# KiCad board SweetBusinessRGBCore.kicad_pcb (continued)
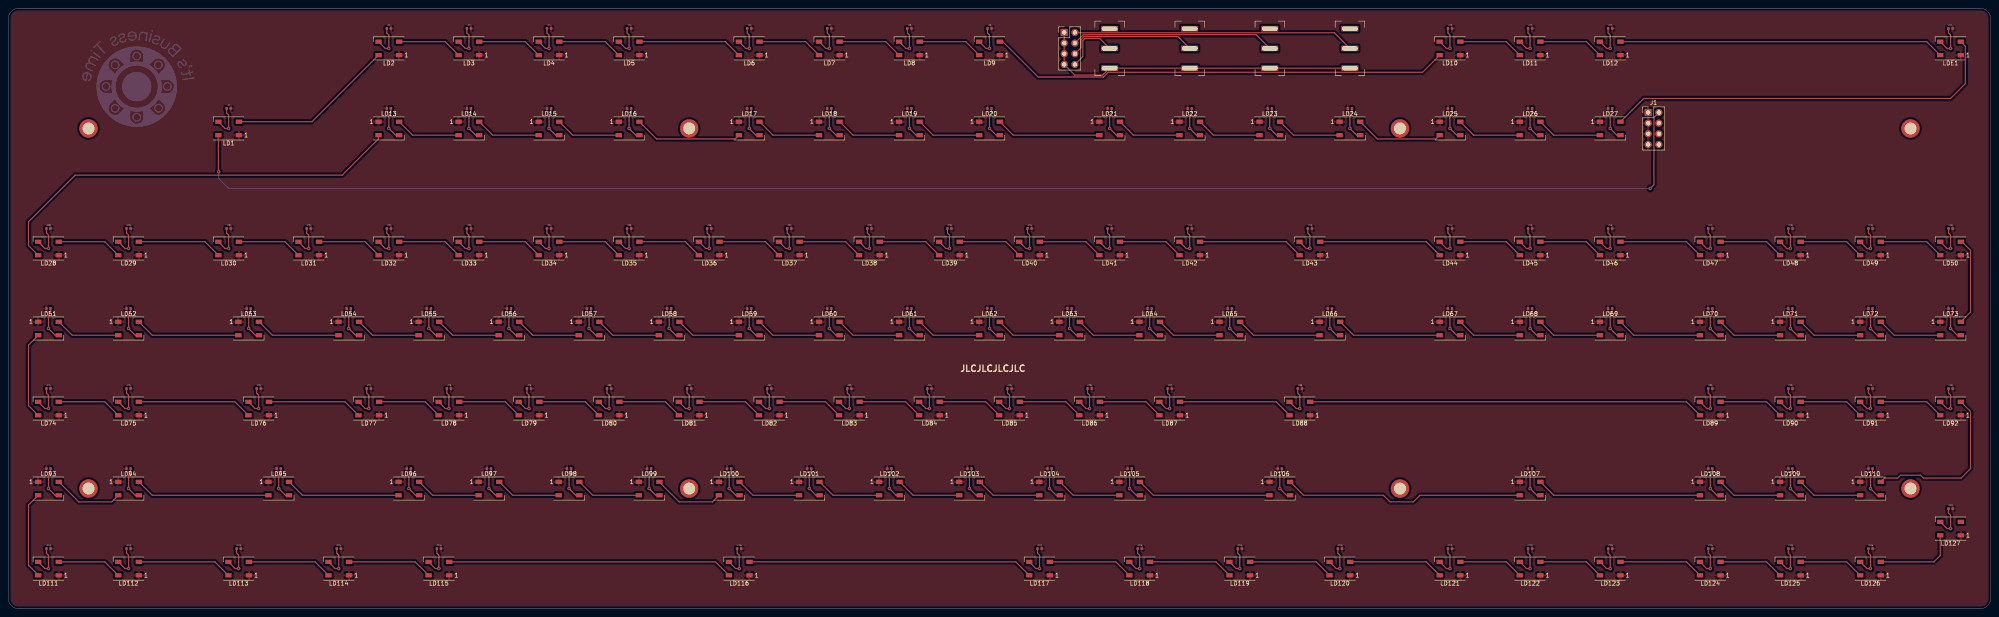
[diagram p0: board, top side]
## Nets
+3V3: J1.1 J1.3 J1.5 J1.7 LC1.2 LC2.2 LC3.2 LC4.2 LC5.2 LC6.2 LC7.2 LC8.2 LC9.2 LC10.2 LC11.2 LC12.2 LC13.2 LC14.2 LC15.2 LC16.2 LC17.2 LC18.2 LC19.2 LC20.2 LC21.2 LC22.2 LC23.2 LC24.2 LC25.2 LC26.2 LC27.2 LC28.2 LC29.2 LC30.2 LC31.2 LC32.2 LC33.2 LC34.2 LC35.2 LC36.2 LC37.2 LC38.2 LC39.2 LC40.2 LC41.2 LC42.2 LC43.2 LC44.2 LC45.2 LC46.2 LC47.2 LC48.2 LC49.2 LC50.2 LC51.2 LC52.2 LC53.2 LC54.2 LC55.2 LC56.2 LC57.2 LC58.2 LC59.2 LC60.2 LC61.2 LC62.2 LC63.2 LC64.2 LC65.2 LC66.2 LC67.2 LC68.2 LC69.2 LC70.2 LC71.2 LC72.2 LC73.2 LC74.2 LC75.2 LC76.2 LC77.2 LC78.2 LC79.2 LC80.2 LC81.2 LC82.2 LC83.2 LC84.2 LC85.2 LC86.2 LC87.2 LC88.2 LC89.2 LC90.2 LC91.2 LC92.2 LC93.2 LC94.2 LC95.2 LC96.2 LC97.2 LC98.2 LC99.2 LC100.2 LC101.2 LC102.2 LC103.2 LC104.2 LC105.2 LC106.2 LC107.2 LC108.2 LC109.2 LC110.2 LC111.2 LC112.2 LC113.2 LC114.2 LC115.2 LC116.2 LC117.2 LC118.2 LC119.2 LC120.2 LC121.2 LC122.2 LC123.2 LC124.2 LC125.2 LC126.2 LC127.2 LCE1.2 LD1.1 LD2.1 LD3.1 LD4.1 LD5.1 LD6.1 LD7.1 LD8.1 LD9.1 LD10.1 LD11.1 LD12.1 LD13.1 LD14.1 LD15.1 LD16.1 LD17.1 LD18.1 LD19.1 LD20.1 LD21.1 LD22.1 LD23.1 LD24.1 LD25.1 LD26.1 LD27.1 LD28.1 LD29.1 LD30.1 LD31.1 LD32.1 LD33.1 LD34.1 LD35.1 LD36.1 LD37.1 LD38.1 LD39.1 LD40.1 LD41.1 LD42.1 LD43.1 LD44.1 LD45.1 LD46.1 LD47.1 LD48.1 LD49.1 LD50.1 LD51.1 LD52.1 LD53.1 LD54.1 LD55.1 LD56.1 LD57.1 LD58.1 LD59.1 LD60.1 LD61.1 LD62.1 LD63.1 LD64.1 LD65.1 LD66.1 LD67.1 LD68.1 LD69.1 LD70.1 LD71.1 LD72.1 LD73.1 LD74.1 LD75.1 LD76.1 LD77.1 LD78.1 LD79.1 LD80.1 LD81.1 LD82.1 LD83.1 LD84.1 LD85.1 LD86.1 LD87.1 LD88.1 LD89.1 LD90.1 LD91.1 LD92.1 LD93.1 LD94.1 LD95.1 LD96.1 LD97.1 LD98.1 LD99.1 LD100.1 LD101.1 LD102.1 LD103.1 LD104.1 LD105.1 LD106.1 LD107.1 LD108.1 LD109.1 LD110.1 LD111.1 LD112.1 LD113.1 LD114.1 LD115.1 LD116.1 LD117.1 LD118.1 LD119.1 LD120.1 LD121.1 LD122.1 LD123.1 LD124.1 LD125.1 LD126.1 LD127.1 LDE1.1
GND: H1.1 H2.1 H3.1 H4.1 H5.1 H6.1 H7.1 H8.1 J1.4 J1.6 J1.8 LC1.1 LC2.1 LC3.1 LC4.1 LC5.1 LC6.1 LC7.1 LC8.1 LC9.1 LC10.1 LC11.1 LC12.1 LC13.1 LC14.1 LC15.1 LC16.1 LC17.1 LC18.1 LC19.1 LC20.1 LC21.1 LC22.1 LC23.1 LC24.1 LC25.1 LC26.1 LC27.1 LC28.1 LC29.1 LC30.1 LC31.1 LC32.1 LC33.1 LC34.1 LC35.1 LC36.1 LC37.1 LC38.1 LC39.1 LC40.1 LC41.1 LC42.1 LC43.1 LC44.1 LC45.1 LC46.1 LC47.1 LC48.1 LC49.1 LC50.1 LC51.1 LC52.1 LC53.1 LC54.1 LC55.1 LC56.1 LC57.1 LC58.1 LC59.1 LC60.1 LC61.1 LC62.1 LC63.1 LC64.1 LC65.1 LC66.1 LC67.1 LC68.1 LC69.1 LC70.1 LC71.1 LC72.1 LC73.1 LC74.1 LC75.1 LC76.1 LC77.1 LC78.1 LC79.1 LC80.1 LC81.1 LC82.1 LC83.1 LC84.1 LC85.1 LC86.1 LC87.1 LC88.1 LC89.1 LC90.1 LC91.1 LC92.1 LC93.1 LC94.1 LC95.1 LC96.1 LC97.1 LC98.1 LC99.1 LC100.1 LC101.1 LC102.1 LC103.1 LC104.1 LC105.1 LC106.1 LC107.1 LC108.1 LC109.1 LC110.1 LC111.1 LC112.1 LC113.1 LC114.1 LC115.1 LC116.1 LC117.1 LC118.1 LC119.1 LC120.1 LC121.1 LC122.1 LC123.1 LC124.1 LC125.1 LC126.1 LC127.1 LCE1.1 LD1.3 LD2.3 LD3.3 LD4.3 LD5.3 LD6.3 LD7.3 LD8.3 LD9.3 LD10.3 LD11.3 LD12.3 LD13.3 LD14.3 LD15.3 LD16.3 LD17.3 LD18.3 LD19.3 LD20.3 LD21.3 LD22.3 LD23.3 LD24.3 LD25.3 LD26.3 LD27.3 LD28.3 LD29.3 LD30.3 LD31.3 LD32.3 LD33.3 LD34.3 LD35.3 LD36.3 LD37.3 LD38.3 LD39.3 LD40.3 LD41.3 LD42.3 LD43.3 LD44.3 LD45.3 LD46.3 LD47.3 LD48.3 LD49.3 LD50.3 LD51.3 LD52.3 LD53.3 LD54.3 LD55.3 LD56.3 LD57.3 LD58.3 LD59.3 LD60.3 LD61.3 LD62.3 LD63.3 LD64.3 LD65.3 LD66.3 LD67.3 LD68.3 LD69.3 LD70.3 LD71.3 LD72.3 LD73.3 LD74.3 LD75.3 LD76.3 LD77.3 LD78.3 LD79.3 LD80.3 LD81.3 LD82.3 LD83.3 LD84.3 LD85.3 LD86.3 LD87.3 LD88.3 LD89.3 LD90.3 LD91.3 LD92.3 LD93.3 LD94.3 LD95.3 LD96.3 LD97.3 LD98.3 LD99.3 LD100.3 LD101.3 LD102.3 LD103.3 LD104.3 LD105.3 LD106.3 LD107.3 LD108.3 LD109.3 LD110.3 LD111.3 LD112.3 LD113.3 LD114.3 LD115.3 LD116.3 LD117.3 LD118.3 LD119.3 LD120.3 LD121.3 LD122.3 LD123.3 LD124.3 LD125.3 LD126.3 LD127.3 LDE1.3
col12: J2.8 T1.2
col13: J2.6 T2.2
col14: J2.4 T3.2
col15: J2.2 T4.2
LED: J1.2 LD1.4
row0: J2.1 J2.3 J2.5 J2.7 T1.1 T2.1 T3.1 T4.1
Net-(LD1-Pad2): LD1.2 LD2.4
Net-(LD2-Pad2): LD2.2 LD3.4
Net-(LD3-Pad2): LD3.2 LD4.4
Net-(LD4-Pad2): LD4.2 LD5.4
Net-(LD5-Pad2): LD5.2 LD6.4
Net-(LD6-Pad2): LD6.2 LD7.4
Net-(LD7-Pad2): LD7.2 LD8.4
Net-(LD8-Pad2): LD8.2 LD9.4
Net-(LD10-Pad2): LD10.2 LD11.4
Net-(LD10-Pad4): LD9.2 LD10.4
Net-(LD11-Pad2): LD11.2 LD12.4
Net-(LD12-Pad2): LD12.2 LDE1.4
Net-(LD13-Pad2): LD13.2 LD28.4
Net-(LD13-Pad4): LD13.4 LD14.2
Net-(LD14-Pad4): LD14.4 LD15.2
Net-(LD15-Pad4): LD15.4 LD16.2
Net-(LD16-Pad4): LD16.4 LD17.2
Net-(LD17-Pad4): LD17.4 LD18.2
Net-(LD18-Pad4): LD18.4 LD19.2
Net-(LD19-Pad4): LD19.4 LD20.2
Net-(LD20-Pad4): LD20.4 LD21.2
Net-(LD21-Pad4): LD21.4 LD22.2
Net-(LD22-Pad4): LD22.4 LD23.2
Net-(LD23-Pad4): LD23.4 LD24.2
Net-(LD24-Pad4): LD24.4 LD25.2
Net-(LD25-Pad4): LD25.4 LD26.2
Net-(LD26-Pad4): LD26.4 LD27.2
Net-(LD27-Pad4): LD27.4 LDE1.2
Net-(LD28-Pad2): LD28.2 LD29.4
Net-(LD29-Pad2): LD29.2 LD30.4
Net-(LD30-Pad2): LD30.2 LD31.4
Net-(LD31-Pad2): LD31.2 LD32.4
Net-(LD32-Pad2): LD32.2 LD33.4
Net-(LD33-Pad2): LD33.2 LD34.4
Net-(LD34-Pad2): LD34.2 LD35.4
Net-(LD35-Pad2): LD35.2 LD36.4
Net-(LD36-Pad2): LD36.2 LD37.4
Net-(LD37-Pad2): LD37.2 LD38.4
Net-(LD38-Pad2): LD38.2 LD39.4
Net-(LD39-Pad2): LD39.2 LD40.4
Net-(LD40-Pad2): LD40.2 LD41.4
Net-(LD41-Pad2): LD41.2 LD42.4
Net-(LD42-Pad2): LD42.2 LD43.4
Net-(LD43-Pad2): LD43.2 LD44.4
Net-(LD44-Pad2): LD44.2 LD45.4
Net-(LD45-Pad2): LD45.2 LD46.4
Net-(LD46-Pad2): LD46.2 LD47.4
Net-(LD47-Pad2): LD47.2 LD48.4
Net-(LD48-Pad2): LD48.2 LD49.4
Net-(LD49-Pad2): LD49.2 LD50.4
Net-(LD50-Pad2): LD50.2 LD73.4
Net-(LD51-Pad2): LD51.2 LD74.4
Net-(LD51-Pad4): LD51.4 LD52.2
Net-(LD52-Pad4): LD52.4 LD53.2
Net-(LD53-Pad4): LD53.4 LD54.2
Net-(LD54-Pad4): LD54.4 LD55.2
Net-(LD55-Pad4): LD55.4 LD56.2
Net-(LD56-Pad4): LD56.4 LD57.2
Net-(LD57-Pad4): LD57.4 LD58.2
Net-(LD58-Pad4): LD58.4 LD59.2
Net-(LD59-Pad4): LD59.4 LD60.2
Net-(LD60-Pad4): LD60.4 LD61.2
Net-(LD61-Pad4): LD61.4 LD62.2
Net-(LD62-Pad4): LD62.4 LD63.2
Net-(LD63-Pad4): LD63.4 LD64.2
Net-(LD64-Pad4): LD64.4 LD65.2
Net-(LD65-Pad4): LD65.4 LD66.2
Net-(LD66-Pad4): LD66.4 LD67.2
Net-(LD67-Pad4): LD67.4 LD68.2
Net-(LD68-Pad4): LD68.4 LD69.2
Net-(LD69-Pad4): LD69.4 LD70.2
Net-(LD70-Pad4): LD70.4 LD71.2
Net-(LD71-Pad4): LD71.4 LD72.2
Net-(LD72-Pad4): LD72.4 LD73.2
Net-(LD74-Pad2): LD74.2 LD75.4
Net-(LD75-Pad2): LD75.2 LD76.4
Net-(LD76-Pad2): LD76.2 LD77.4
Net-(LD77-Pad2): LD77.2 LD78.4
Net-(LD78-Pad2): LD78.2 LD79.4
Net-(LD79-Pad2): LD79.2 LD80.4
Net-(LD80-Pad2): LD80.2 LD81.4
Net-(LD81-Pad2): LD81.2 LD82.4
Net-(LD82-Pad2): LD82.2 LD83.4
Net-(LD83-Pad2): LD83.2 LD84.4
Net-(LD84-Pad2): LD84.2 LD85.4
Net-(LD85-Pad2): LD85.2 LD86.4
Net-(LD86-Pad2): LD86.2 LD87.4
Net-(LD87-Pad2): LD87.2 LD88.4
Net-(LD88-Pad2): LD88.2 LD89.4
Net-(LD89-Pad2): LD89.2 LD90.4
Net-(LD90-Pad2): LD90.2 LD91.4
Net-(LD91-Pad2): LD91.2 LD92.4
Net-(LD93-Pad4): LD93.4 LD94.2
Net-(LD94-Pad4): LD94.4 LD95.2
Net-(LD95-Pad4): LD95.4 LD96.2
Net-(LD96-Pad4): LD96.4 LD97.2
Net-(LD97-Pad4): LD97.4 LD98.2
Net-(LD98-Pad4): LD98.4 LD99.2
Net-(LD100-Pad2): LD99.4 LD100.2
Net-(LD100-Pad4): LD100.4 LD101.2
Net-(LD101-Pad4): LD101.4 LD102.2
Net-(LD102-Pad4): LD102.4 LD103.2
Net-(LD103-Pad4): LD103.4 LD104.2
Net-(LD104-Pad4): LD104.4 LD105.2
Net-(LD105-Pad4): LD105.4 LD106.2
Net-(LD106-Pad4): LD106.4 LD107.2
Net-(LD107-Pad4): LD107.4 LD108.2
Net-(LD108-Pad4): LD108.4 LD109.2
Net-(LD109-Pad4): LD109.4 LD110.2
Net-(LD110-Pad4): LD92.2 LD110.4
Net-(LD111-Pad2): LD111.2 LD112.4
Net-(LD111-Pad4): LD93.2 LD111.4
Net-(LD112-Pad2): LD112.2 LD113.4
Net-(LD113-Pad2): LD113.2 LD114.4
Net-(LD114-Pad2): LD114.2 LD115.4
Net-(LD115-Pad2): LD115.2 LD116.4
Net-(LD116-Pad2): LD116.2 LD117.4
Net-(LD117-Pad2): LD117.2 LD118.4
Net-(LD118-Pad2): LD118.2 LD119.4
Net-(LD119-Pad2): LD119.2 LD120.4
Net-(LD120-Pad2): LD120.2 LD121.4
Net-(LD121-Pad2): LD121.2 LD122.4
Net-(LD122-Pad2): LD122.2 LD123.4
Net-(LD123-Pad2): LD123.2 LD124.4
Net-(LD124-Pad2): LD124.2 LD125.4
Net-(LD125-Pad2): LD125.2 LD126.4
Net-(LD126-Pad2): LD126.2 LD127.4

Pads without a net: LD127 2; T1 3; T2 3; T3 3; T4 3

## Via types
v1: diameter 0.8, hole 0.4, Top to Bottom, 130 vias

## Routing (per net, layer and track width the routed paths; a pad name or vN(x,y) marks a point on that pad's centre or on a via; arc(x,y) is an arc through that point)
GND: length 1033.7
  Top w0.25: LC8.1 213.83,137.01 214.31,136.53 v1(214.31,133.35) 213.46,133.35 LD8.3 ; LD98.3 134.95,26.97 v1(133.35,28.57) 133.35,31.75 133.84,32.24 LC98.1 ; LD89.3 403.96,47.62 v1(404.81,47.62) 404.81,50.8 404.33,51.28 LC89.1 ; LC50.1 461.48,89.38 461.96,88.9 v1(461.96,85.72) 461.11,85.72 LD50.3 ; LC13.1 90.97,117.96 90.49,117.47 v1(90.49,114.3) 92.09,112.7 92.94,112.7 ; LD41.3 261.09,85.72 v1(261.94,85.72) 261.94,88.9 261.45,89.38 LC41.1 ; LC95.1 64.78,32.24 64.29,31.75 v1(64.29,28.57) 65.89,26.97 LD95.3 ; LD122.3 361.1,9.52 v1(361.95,9.52) 361.95,12.7 361.46,13.19 LC122.1 ; LD84.3 218.23,47.62 v1(219.07,47.62) 219.07,50.8 218.59,51.28 LC84.1 ; LD61.3 215.91,65.07 v1(214.31,66.68) 214.31,69.85 214.8,70.34 LC61.1 ; LD97.3 115.9,26.97 v1(114.3,28.57) 114.3,31.75 114.78,32.24 LC97.1 ; LC40.1 242.4,89.38 242.89,88.9 v1(242.89,85.72) 242.04,85.72 LD40.3 ; LC99.1 152.88,32.24 152.4,31.75 v1(152.4,28.57) 154,26.97 LD99.3 ; LC81.1 161.44,51.28 161.93,50.8 v1(161.93,47.62) 161.07,47.62 LD81.3 ; LD32.3 89.64,85.72 v1(90.49,85.72) 90.49,88.9 90,89.38 LC32.1 ; 345.35,112.7 344.5,112.7 v1(342.9,114.3) 342.9,117.47 343.38,117.96 LC25.1 ; LD9.3 232.51,133.35 v1(233.36,133.35) 233.36,136.53 232.88,137.01 LC9.1 ; LD44.3 342.05,85.72 v1(342.9,85.72) 342.9,88.9 342.42,89.38 LC44.1 ; LC120.1 316.22,13.19 316.71,12.7 v1(316.71,9.52) 315.86,9.52 LD120.3 ; LD85.3 237.27,47.62 v1(238.12,47.62) 238.12,50.8 237.64,51.28 LC85.1 ; LC76.1 59.05,51.28 59.53,50.8 v1(59.53,47.62) 58.68,47.62 LD76.3 ; LD80.3 142.03,47.62 v1(142.88,47.62) 142.88,50.8 142.39,51.28 LC80.1 ; LD123.3 380.15,9.52 v1(381,9.52) 381,12.7 380.51,13.19 LC123.1 ; LD70.3 406.41,65.07 v1(404.81,66.68) 404.81,69.85 405.3,70.34 LC70.1 ; LD47.3 403.96,85.72 v1(404.81,85.72) 404.81,88.9 404.33,89.38 LC47.1 ; LC119.1 292.41,13.19 292.89,12.7 v1(292.89,9.52) 292.04,9.52 LD119.3 ; LC118.1 268.6,13.19 269.08,12.7 v1(269.08,9.52) 268.23,9.52 LD118.3 ; LD42.3 280.14,85.72 v1(280.99,85.72) 280.99,88.9 280.5,89.38 LC42.1 ; LC126.1 442.43,13.19 442.91,12.7 v1(442.91,9.52) 442.06,9.52 LD126.3 ; LD10.3 342.05,133.35 v1(342.9,133.35) 342.9,136.53 342.42,137.01 LC10.1 ; LC1.1 51.9,117.96 52.39,117.47 v1(52.39,114.3) 51.54,114.3 LD1.3 ; LD86.3 256.32,47.62 v1(257.18,47.62) 257.18,50.8 256.69,51.28 LC86.1 ; 321.54,112.7 320.69,112.7 v1(319.09,114.3) 319.09,117.47 319.57,117.96 LC24.1 ; LC5.1 147.15,137.01 147.64,136.53 v1(147.64,133.35) 146.79,133.35 LD5.3 ; LD92.3 461.11,47.62 v1(461.96,47.62) 461.96,50.8 461.48,51.28 LC92.1 ; LD49.3 442.06,85.72 v1(442.91,85.72) 442.91,88.9 442.43,89.38 LC49.1 ; LC113.1 54.28,13.19 54.77,12.7 v1(54.77,9.52) 53.92,9.52 LD113.3 ; LC116.1 173.35,13.19 173.83,12.7 v1(173.83,9.52) 172.98,9.52 LD116.3 ; LC19.1 214.8,117.96 214.31,117.47 v1(214.31,114.3) 215.91,112.7 216.76,112.7 ; LC14.1 110.02,117.96 109.54,117.47 v1(109.54,114.3) 111.14,112.7 111.99,112.7 ; LC59.1 176.7,70.34 176.21,69.85 v1(176.21,66.68) 177.81,65.07 LD59.3 ; LD102.3 211.15,26.97 v1(209.55,28.57) 209.55,31.75 210.04,32.24 LC102.1 ; LD52.3 30.17,65.07 v1(28.58,66.68) 28.58,69.85 29.06,70.34 LC52.1 ; LD68.3 363.55,65.07 v1(361.95,66.68) 361.95,69.85 362.44,70.34 LC68.1 ; LC101.1 190.99,32.24 190.5,31.75 v1(190.5,28.57) 192.1,26.97 LD101.3 ; LC26.1 362.44,117.96 361.95,117.47 v1(361.95,114.3) 363.55,112.7 364.4,112.7 ; LC106.1 302.9,32.24 302.42,31.75 v1(302.42,28.57) 304.02,26.97 LD106.3 ; LD63.3 254.01,65.07 v1(252.41,66.68) 252.41,69.85 252.9,70.34 LC63.1 ; LC83.1 199.54,51.28 200.03,50.8 v1(200.03,47.62) 199.18,47.62 LD83.3 ; 131.04,112.7 130.19,112.7 v1(128.59,114.3) 128.59,117.47 129.07,117.96 LC15.1 ; LC51.1 10.01,70.34 9.52,69.85 v1(9.52,66.68) 11.12,65.07 LD51.3 ; LC45.1 361.46,89.38 361.95,88.9 v1(361.95,85.72) 361.1,85.72 LD45.3 ; LC72.1 443.4,70.34 442.91,69.85 v1(442.91,66.68) 444.51,65.07 LD72.3 ; LC54.1 81.45,70.34 80.96,69.85 v1(80.96,66.68) 82.56,65.07 LD54.3 ; 235.81,112.7 234.96,112.7 v1(233.36,114.3) 233.36,117.47 233.85,117.96 LC20.1 ; LC12.1 380.51,137.01 381,136.53 v1(381,133.35) 380.15,133.35 LD12.3 ; LD71.3 425.46,65.07 v1(423.86,66.68) 423.86,69.85 424.35,70.34 LC71.1 ; LC108.1 405.3,32.24 404.81,31.75 v1(404.81,28.57) 406.41,26.97 LD108.3 ; LD39.3 222.99,85.72 v1(223.84,85.72) 223.84,88.9 223.35,89.38 LC39.1 ; LC37.1 185.25,89.38 185.74,88.9 v1(185.74,85.72) 184.89,85.72 LD37.3 ; LC11.1 361.46,137.01 361.95,136.53 v1(361.95,133.35) 361.1,133.35 LD11.3 ; LC73.1 462.45,70.34 461.96,69.85 v1(461.96,66.68) 463.56,65.07 LD73.3 ; LC115.1 101.91,13.19 102.39,12.7 v1(102.39,9.52) 101.54,9.52 LD115.3 ; LC6.1 175.73,137.01 176.21,136.53 v1(176.21,133.35) 175.36,133.35 LD6.3 ; LD79.3 122.97,47.62 v1(123.82,47.62) 123.82,50.8 123.34,51.28 LC79.1 ; LC7.1 194.78,137.01 195.26,136.53 v1(195.26,133.35) 194.41,133.35 LD7.3 ; LC35.1 147.15,89.38 147.64,88.9 v1(147.64,85.72) 146.79,85.72 LD35.3 ; LD65.3 292.11,65.07 v1(290.51,66.68) 290.51,69.85 291,70.34 LC65.1 ; LD77.3 84.88,47.62 v1(85.72,47.62) 85.72,50.8 85.24,51.28 LC77.1 ; LD100.3 173.05,26.97 v1(171.45,28.57) 171.45,31.75 171.94,32.24 LC100.1 ; LC18.1 195.75,117.96 195.26,117.47 v1(195.26,114.3) 196.86,112.7 197.71,112.7 ; 264.39,112.7 263.54,112.7 v1(261.94,114.3) 261.94,117.47 262.42,117.96 LC21.1 ; LD29.3 27.72,85.72 v1(28.58,85.72) 28.58,88.9 28.09,89.38 LC29.1 ; LD78.3 103.93,47.62 v1(104.78,47.62) 104.78,50.8 104.29,51.28 LC78.1 ; LD121.3 342.05,9.52 v1(342.9,9.52) 342.9,12.7 342.42,13.19 LC121.1 ; LD43.3 308.71,85.72 v1(309.56,85.72) 309.56,88.9 309.08,89.38 LC43.1 ; LD93.3 11.12,26.97 v1(9.52,28.57) 9.52,31.75 10.01,32.24 LC93.1 ; LC64.1 271.95,70.34 271.46,69.85 v1(271.46,66.68) 273.06,65.07 LD64.3 ; LC91.1 442.43,51.28 442.91,50.8 v1(442.91,47.62) 442.06,47.62 LD91.3 ; LC38.1 204.3,89.38 204.79,88.9 v1(204.79,85.72) 203.94,85.72 LD38.3 ; LC36.1 166.2,89.38 166.69,88.9 v1(166.69,85.72) 165.84,85.72 LD36.3 ; LD30.3 51.54,85.72 v1(52.39,85.72) 52.39,88.9 51.9,89.38 LC30.1 ; LD96.3 96.85,26.97 v1(95.25,28.57) 95.25,31.75 95.74,32.24 LC96.1 ; LD87.3 275.38,47.62 v1(276.23,47.62) 276.23,50.8 275.74,51.28 LC87.1 ; LD112.3 27.72,9.52 v1(28.58,9.52) 28.58,12.7 28.09,13.19 LC112.1 ; LD74.3 8.67,47.62 v1(9.52,47.62) 9.52,50.8 9.04,51.28 LC74.1 ; LC48.1 423.38,89.38 423.86,88.9 v1(423.86,85.72) 423.01,85.72 LD48.3 ; LD127.3 461.11,19.05 v1(461.96,19.05) 461.96,22.22 461.48,22.71 LC127.1 ; LC28.1 9.04,89.38 9.52,88.9 v1(9.52,85.72) 8.67,85.72 LD28.3 ; LC58.1 157.65,70.34 157.16,69.85 v1(157.16,66.68) 158.76,65.07 LD58.3 ; LC125.1 423.38,13.19 423.86,12.7 v1(423.86,9.52) 423.01,9.52 LD125.3 ; 180.49,52.39 180.49,51.28 180.97,50.8 v1(180.97,47.62) 180.12,47.62 LD82.3 ; LC23.1 300.52,117.96 300.04,117.47 v1(300.04,114.3) 301.64,112.7 302.49,112.7 ; LC57.1 138.6,70.34 138.11,69.85 v1(138.11,66.68) 139.71,65.07 LD57.3 ; LC27.1 381.49,117.96 381,117.47 v1(381,114.3) 382.6,112.7 383.45,112.7 ; 345.35,65.07 344.5,65.07 v1(342.9,66.68) 342.9,69.85 343.38,70.34 LC67.1 ; LD117.3 244.42,9.52 v1(245.27,9.52) 245.27,12.7 244.78,13.19 LC117.1 ; LC22.1 281.47,117.96 280.99,117.47 v1(280.99,114.3) 282.59,112.7 283.44,112.7 ; LC75.1 28.09,51.28 28.58,50.8 v1(28.58,47.62) 27.72,47.62 LD75.3 ; LD55.3 101.61,65.07 v1(100.01,66.68) 100.01,69.85 100.5,70.34 LC55.1 ; LC56.1 119.55,70.34 119.06,69.85 v1(119.06,66.68) 120.66,65.07 LD56.3 ; LD110.3 444.51,26.97 v1(442.91,28.57) 442.91,31.75 443.4,32.24 LC110.1 ; LC104.1 248.13,32.24 247.65,31.75 v1(247.65,28.57) 249.25,26.97 LD104.3 ; LD62.3 234.96,65.07 v1(233.36,66.68) 233.36,69.85 233.85,70.34 LC62.1 ; LC46.1 380.51,89.38 381,88.9 v1(381,85.72) 380.15,85.72 LD46.3 ; LC3.1 109.05,137.01 109.54,136.53 v1(109.54,133.35) 108.69,133.35 LD3.3 ; LC107.1 362.44,32.24 361.95,31.75 v1(361.95,28.57) 363.55,26.97 LD107.3 ; LD69.3 382.6,65.07 v1(381,66.68) 381,69.85 381.49,70.34 LC69.1 ; LC90.1 423.38,51.28 423.86,50.8 v1(423.86,47.62) 423.01,47.62 LD90.3 ; LC94.1 29.06,32.24 28.58,31.75 v1(28.58,28.57) 30.17,26.97 LD94.3 ; 178.66,112.7 177.81,112.7 v1(176.21,114.3) 176.21,117.47 176.7,117.96 LC17.1 ; LD2.3 89.64,133.35 v1(90.49,133.35) 90.49,136.53 90,137.01 LC2.1 ; LD114.3 77.73,9.52 v1(78.58,9.52) 78.58,12.7 78.1,13.19 LC114.1 ; LC109.1 424.35,32.24 423.86,31.75 v1(423.86,28.57) 425.46,26.97 LD109.3 ; LC31.1 70.95,89.38 71.44,88.9 v1(71.44,85.72) 70.59,85.72 LD31.3 ; LC66.1 314.81,70.34 314.32,69.85 v1(314.32,66.68) 315.93,65.07 LD66.3 ; LD105.3 268.3,26.97 v1(266.7,28.57) 266.7,31.75 267.19,32.24 LC105.1 ; 461.48,138.11 461.48,137.01 461.96,136.53 v1(461.96,133.35) 461.11,133.35 459.51,134.95 ; LC4.1 128.1,137.01 128.59,136.53 v1(128.59,133.35) 127.74,133.35 LD4.3 ; LC53.1 57.64,70.34 57.15,69.85 v1(57.15,66.68) 58.75,65.07 59.6,65.07 ; LC33.1 109.05,89.38 109.54,88.9 v1(109.54,85.72) 108.69,85.72 LD33.3 ; 150.09,112.7 149.24,112.7 v1(147.64,114.3) 147.64,117.47 148.12,117.96 LC16.1 ; LD103.3 230.2,26.97 v1(228.6,28.57) 228.6,31.75 229.08,32.24 LC103.1 ; LD111.3 8.67,9.52 v1(9.52,9.52) 9.52,12.7 9.04,13.19 LC111.1 ; LD34.3 127.74,85.72 v1(128.59,85.72) 128.59,88.9 128.1,89.38 LC34.1 ; LD124.3 403.96,9.52 v1(404.81,9.52) 404.81,12.7 404.33,13.19 LC124.1 ; LC88.1 306.7,51.28 307.18,50.8 v1(307.18,47.62) 306.33,47.62 LD88.3 ; LD60.3 196.86,65.07 v1(195.26,66.68) 195.26,69.85 195.75,70.34 LC60.1
col12: length 14
  Top w0.25: J2.8 255.56,131.42 255.56,135.22 256.07,135.73 259.56,135.73 T1.2
col13: length 31.3
  Top w0.25: T2.2 278.16,136.18 255.88,136.18 255.11,135.41 255.11,133.51 J2.6
col14: length 48.6
  Top w0.25: J2.4 255.69,136.63 296.76,136.63 T3.2
col15: length 67
  Top w0.25: J2.2 253.75,137.08 315.36,137.08 T4.2
LED: length 370.8
  Top w0.25: 49.94,112.7 49.94,104.05 v1(50.01,103.98) ; J1.2 391.41,116.93 391.41,100.9 v1(390.52,100.01)
  Bottom w0.25: v1(390.52,100.01) 52.39,100.01 50.01,102.39 v1(50.01,103.98)
row0: length 77.3
  Top w0.25: J2.1 J2.7 253.67,127 260.29,127 T1.1 T4.1
Net-(LD1-Pad2): length 39.8
  Top w0.25: LD1.2 72.19,115.9 LD2.4
Net-(LD2-Pad2): length 15.5
  Top w0.25: LD3.4 103.89,134.95 LD2.2
Net-(LD3-Pad2): length 15.5
  Top w0.25: LD3.2 122.94,134.95 LD4.4
Net-(LD4-Pad2): length 15.5
  Top w0.25: LD5.4 141.99,134.95 LD4.2
Net-(LD5-Pad2): length 25
  Top w0.25: LD5.2 170.56,134.95 LD6.4
Net-(LD6-Pad2): length 15.5
  Top w0.25: LD7.4 189.61,134.95 LD6.2
Net-(LD7-Pad2): length 15.5
  Top w0.25: LD8.4 208.66,134.95 LD7.2
Net-(LD8-Pad2): length 15.5
  Top w0.25: LD8.2 227.71,134.95 LD9.4
Net-(LD10-Pad2): length 15.5
  Top w0.25: LD11.4 356.3,134.95 345.35,134.95
Net-(LD10-Pad4): length 110.3
  Top w0.25: LD9.2 236.52,134.95 244.92,126.55 260.47,126.55 261.6,127.68 336.38,127.68 LD10.4
Net-(LD11-Pad2): length 15.5
  Top w0.25: LD11.2 375.35,134.95 LD12.4
Net-(LD12-Pad2): length 77.4
  Top w0.25: LD12.2 456.3,134.95 LDE1.4
Net-(LD13-Pad2): length 101.2
  Top w0.25: LD28.4 4.76,86.44 4.76,92.07 15.88,103.19 79.38,103.19 88.04,111.85 88.04,112.7
Net-(LD13-Pad4): length 15.5
  Top w0.25: 107.09,112.7 96.14,112.7 LD13.4
Net-(LD14-Pad4): length 15.5
  Top w0.25: LD14.4 115.19,112.7 126.14,112.7
Net-(LD15-Pad4): length 15.5
  Top w0.25: 145.19,112.7 134.24,112.7 LD15.4
Net-(LD16-Pad4): length 25.7
  Top w0.25: 173.76,112.7 172.86,111.8 154.19,111.8 LD16.4
Net-(LD17-Pad4): length 15.5
  Top w0.25: 192.81,112.7 181.86,112.7 LD17.4
Net-(LD18-Pad4): length 15.5
  Top w0.25: LD18.4 200.91,112.7 211.86,112.7
Net-(LD19-Pad4): length 15.5
  Top w0.25: 230.91,112.7 219.96,112.7 LD19.4
Net-(LD20-Pad4): length 25
  Top w0.25: 259.49,112.7 239.01,112.7 LD20.4
Net-(LD21-Pad4): length 15.5
  Top w0.25: LD21.4 267.59,112.7 278.54,112.7
Net-(LD22-Pad4): length 15.5
  Top w0.25: LD22.4 286.64,112.7 297.59,112.7
Net-(LD23-Pad4): length 15.5
  Top w0.25: LD23.4 305.69,112.7 316.64,112.7
Net-(LD24-Pad4): length 21
  Top w0.25: 340.45,112.7 339.55,111.8 325.64,111.8 LD24.4
Net-(LD25-Pad4): length 15.5
  Top w0.25: 345.35,115.9 348.55,112.7 359.5,112.7
Net-(LD26-Pad4): length 15.5
  Top w0.25: LD26.4 367.6,112.7 378.55,112.7
Net-(LD27-Pad4): length 96.2
  Top w0.25: LD27.4 388.99,121.44 461.96,121.44 465.47,124.96 465.47,133.88 LDE1.2
Net-(LD28-Pad2): length 15.5
  Top w0.25: LD29.4 22.92,87.32 LD28.2
Net-(LD29-Pad2): length 20.2
  Top w0.25: LD30.4 46.74,87.32 LD29.2
Net-(LD30-Pad2): length 15.5
  Top w0.25: LD31.4 65.79,87.32 LD30.2
Net-(LD31-Pad2): length 15.5
  Top w0.25: LD32.4 84.84,87.32 LD31.2
Net-(LD32-Pad2): length 15.5
  Top w0.25: LD33.4 103.89,87.32 LD32.2
Net-(LD33-Pad2): length 15.5
  Top w0.25: LD33.2 122.94,87.32 LD34.4
Net-(LD34-Pad2): length 15.5
  Top w0.25: LD34.2 141.99,87.32 LD35.4
Net-(LD35-Pad2): length 15.5
  Top w0.25: LD36.4 161.04,87.32 LD35.2
Net-(LD36-Pad2): length 15.5
  Top w0.25: LD36.2 180.09,87.32 LD37.4
Net-(LD37-Pad2): length 15.5
  Top w0.25: LD38.4 199.14,87.32 LD37.2
Net-(LD38-Pad2): length 15.5
  Top w0.25: LD39.4 218.19,87.32 LD38.2
Net-(LD39-Pad2): length 15.5
  Top w0.25: LD39.2 237.24,87.32 LD40.4
Net-(LD40-Pad2): length 15.5
  Top w0.25: LD40.2 256.29,87.32 LD41.4
Net-(LD41-Pad2): length 15.5
  Top w0.25: LD42.4 275.34,87.32 LD41.2
Net-(LD42-Pad2): length 25
  Top w0.25: LD43.4 303.91,87.32 LD42.2
Net-(LD43-Pad2): length 29.8
  Top w0.25: LD43.2 337.25,87.32 LD44.4
Net-(LD44-Pad2): length 15.5
  Top w0.25: LD45.4 356.3,87.32 345.35,87.32
Net-(LD45-Pad2): length 15.5
  Top w0.25: LD46.4 375.35,87.32 LD45.2
Net-(LD46-Pad2): length 20.2
  Top w0.25: LD47.4 399.16,87.32 LD46.2
Net-(LD47-Pad2): length 15.5
  Top w0.25: LD48.4 418.21,87.32 LD47.2
Net-(LD48-Pad2): length 15.5
  Top w0.25: LD49.4 437.26,87.32 LD48.2
Net-(LD49-Pad2): length 15.5
  Top w0.25: LD50.4 456.31,87.32 LD49.2
Net-(LD50-Pad2): length 21.1
  Top w0.25: LD73.4 466.73,70.59 466.73,85.26 464.66,87.32 LD50.2
Net-(LD51-Pad2): length 21
  Top w0.25: LD51.2 7.08,65.02 4.76,62.71 4.76,48.34 LD74.4
Net-(LD51-Pad4): length 15.5
  Top w0.25: LD52.2 15.17,65.07 LD51.4
Net-(LD52-Pad4): length 25
  Top w0.25: LD53.2 34.22,65.07 LD52.4
Net-(LD53-Pad4): length 20.2
  Top w0.25: LD54.2 62.8,65.07 59.6,68.28
Net-(LD54-Pad4): length 15.5
  Top w0.25: LD55.2 86.61,65.07 LD54.4
Net-(LD55-Pad4): length 15.5
  Top w0.25: LD55.4 105.66,65.07 LD56.2
Net-(LD56-Pad4): length 15.5
  Top w0.25: LD57.2 124.71,65.07 LD56.4
Net-(LD57-Pad4): length 15.5
  Top w0.25: LD58.2 143.76,65.07 LD57.4
Net-(LD58-Pad4): length 15.5
  Top w0.25: LD58.4 162.81,65.07 LD59.2
Net-(LD59-Pad4): length 15.5
  Top w0.25: LD60.2 181.86,65.07 LD59.4
Net-(LD60-Pad4): length 15.5
  Top w0.25: LD61.2 200.91,65.07 LD60.4
Net-(LD61-Pad4): length 15.5
  Top w0.25: LD62.2 219.96,65.07 LD61.4
Net-(LD62-Pad4): length 15.5
  Top w0.25: LD62.4 239.01,65.07 LD63.2
Net-(LD63-Pad4): length 15.5
  Top w0.25: LD63.4 258.06,65.07 LD64.2
Net-(LD64-Pad4): length 15.5
  Top w0.25: LD64.4 277.11,65.07 LD65.2
Net-(LD65-Pad4): length 20.2
  Top w0.25: LD65.4 296.16,65.07 LD66.2
Net-(LD66-Pad4): length 25
  Top w0.25: LD67.2 319.98,65.07 LD66.4
Net-(LD67-Pad4): length 15.5
  Top w0.25: 345.35,68.28 348.55,65.07 LD68.2
Net-(LD68-Pad4): length 15.5
  Top w0.25: LD68.4 367.6,65.07 LD69.2
Net-(LD69-Pad4): length 20.2
  Top w0.25: LD69.4 386.65,65.07 LD70.2
Net-(LD70-Pad4): length 15.5
  Top w0.25: LD70.4 410.46,65.07 LD71.2
Net-(LD71-Pad4): length 15.5
  Top w0.25: LD71.4 429.51,65.07 LD72.2
Net-(LD72-Pad4): length 15.5
  Top w0.25: LD73.2 448.56,65.07 LD72.4
Net-(LD74-Pad2): length 15.5
  Top w0.25: LD74.2 22.92,49.22 LD75.4
Net-(LD75-Pad2): length 27.4
  Top w0.25: LD75.2 53.88,49.22 LD76.4
Net-(LD76-Pad2): length 22.6
  Top w0.25: LD77.4 80.08,49.22 LD76.2
Net-(LD77-Pad2): length 15.5
  Top w0.25: LD78.4 99.12,49.22 LD77.2
Net-(LD78-Pad2): length 15.5
  Top w0.25: LD79.4 118.18,49.22 LD78.2
Net-(LD79-Pad2): length 15.5
  Top w0.25: LD79.2 137.22,49.22 LD80.4
Net-(LD80-Pad2): length 15.5
  Top w0.25: LD80.2 156.28,49.22 LD81.4
Net-(LD81-Pad2): length 15.5
  Top w0.25: LD81.2 175.32,49.22 LD82.4
Net-(LD82-Pad2): length 15.5
  Top w0.25: LD83.4 194.38,49.22 LD82.2
Net-(LD83-Pad2): length 15.5
  Top w0.25: LD84.4 213.43,49.22 LD83.2
Net-(LD84-Pad2): length 15.5
  Top w0.25: LD85.4 232.48,49.22 LD84.2
Net-(LD85-Pad2): length 15.5
  Top w0.25: LD86.4 251.52,49.22 LD85.2
Net-(LD86-Pad2): length 15.5
  Top w0.25: LD87.4 270.57,49.22 LD86.2
Net-(LD87-Pad2): length 27.4
  Top w0.25: LD88.4 301.53,49.22 LD87.2
Net-(LD88-Pad2): length 94.1
  Top w0.25: LD89.4 399.16,49.22 LD88.2
Net-(LD89-Pad2): length 15.5
  Top w0.25: LD90.4 418.21,49.22 LD89.2
Net-(LD90-Pad2): length 15.5
  Top w0.25: LD90.2 437.26,49.22 LD91.4
Net-(LD91-Pad2): length 15.5
  Top w0.25: LD91.2 456.31,49.22 LD92.4
Net-(LD93-Pad4): length 16.8
  Top w0.25: LD93.4 16.75,25.4 24.61,25.4 26.12,26.92 LD94.2
Net-(LD94-Pad4): length 32.1
  Top w0.25: LD95.2 34.22,26.97 LD94.4
Net-(LD95-Pad4): length 27.4
  Top w0.25: LD95.4 69.94,26.97 LD96.2
Net-(LD96-Pad4): length 15.5
  Top w0.25: LD96.4 100.9,26.97 LD97.2
Net-(LD97-Pad4): length 15.5
  Top w0.25: LD97.4 119.95,26.97 LD98.2
Net-(LD98-Pad4): length 15.5
  Top w0.25: LD98.4 139,26.97 LD99.2
Net-(LD100-Pad2): length 16.9
  Top w0.25: LD99.4 154.85,30.09 159.54,25.4 167.48,25.4 169,26.92 LD100.2
Net-(LD100-Pad4): length 15.5
  Top w0.25: LD100.4 177.1,26.97 LD101.2
Net-(LD101-Pad4): length 15.5
  Top w0.25: 207.1,26.97 196.15,26.97 LD101.4
Net-(LD102-Pad4): length 15.5
  Top w0.25: LD102.4 215.2,26.97 LD103.2
Net-(LD103-Pad4): length 15.5
  Top w0.25: LD104.2 234.25,26.97 LD103.4
Net-(LD104-Pad4): length 15.5
  Top w0.25: LD105.2 253.3,26.97 LD104.4
Net-(LD105-Pad4): length 32.1
  Top w0.25: LD105.4 272.35,26.97 LD106.2
Net-(LD106-Pad4): length 57.3
  Top w0.25: LD106.4 308.06,26.99 327.02,26.99 328.61,25.4 334.17,25.4 335.74,26.97 LD107.2
Net-(LD107-Pad4): length 39.3
  Top w0.25: LD107.4 367.6,26.97 LD108.2
Net-(LD108-Pad4): length 15.5
  Top w0.25: LD109.2 410.46,26.97 LD108.4
Net-(LD109-Pad4): length 15.5
  Top w0.25: LD110.2 429.51,26.97 LD109.4
Net-(LD110-Pad4): length 40.1
  Top w0.25: LD92.2 466.73,46.91 466.73,33.34 464.46,31.07 455.49,31.07 454.82,31.75 450.06,31.75 449.38,31.07 446.26,31.07 LD110.4
Net-(LD111-Pad2): length 15.5
  Top w0.25: LD112.4 22.92,11.12 LD111.2
Net-(LD111-Pad4): length 21
  Top w0.25: LD111.4 7.08,8.01 4.76,10.32 4.76,24.66 LD93.2
Net-(LD112-Pad2): length 22.6
  Top w0.25: LD113.4 49.12,11.12 LD112.2
Net-(LD113-Pad2): length 20.2
  Top w0.25: LD114.4 72.93,11.12 LD113.2
Net-(LD114-Pad2): length 20.2
  Top w0.25: LD115.4 96.74,11.12 LD114.2
Net-(LD115-Pad2): length 67.9
  Top w0.25: LD115.2 168.18,11.12 LD116.4
Net-(LD116-Pad2): length 67.9
  Top w0.25: LD117.4 239.62,11.12 LD116.2
Net-(LD117-Pad2): length 20.2
  Top w0.25: LD117.2 263.43,11.12 LD118.4
Net-(LD118-Pad2): length 20.2
  Top w0.25: LD118.2 287.24,11.12 LD119.4
Net-(LD119-Pad2): length 20.2
  Top w0.25: LD119.2 311.06,11.12 LD120.4
Net-(LD120-Pad2): length 22.6
  Top w0.25: LD120.2 337.25,11.12 LD121.4
Net-(LD121-Pad2): length 15.5
  Top w0.25: LD122.4 356.3,11.12 345.35,11.12
Net-(LD122-Pad2): length 15.5
  Top w0.25: LD123.4 375.35,11.12 LD122.2
Net-(LD123-Pad2): length 20.2
  Top w0.25: LD123.2 399.16,11.12 LD124.4
Net-(LD124-Pad2): length 15.5
  Top w0.25: LD124.2 418.21,11.12 LD125.4
Net-(LD125-Pad2): length 15.5
  Top w0.25: LD126.4 437.26,11.12 LD125.2
Net-(LD126-Pad2): length 19.6
  Top w0.25: LD126.2 458.01,11.12 459.51,12.63 LD127.4

## Copper pours and planes (outline as drawn; the poured copper is in the pictures)
+3V3 on Top: 471.49,0 0,0 0,142.88 471.49,142.88
GND on Bottom: 0,0 471.49,0 471.49,142.88 0,142.88

## Text on the board
F.Silkscreen: JLCJLCJLCJLC
